# Altium PCB ECSE478 - DAQ Device.PcbDoc (part 3 of 4) (continued)
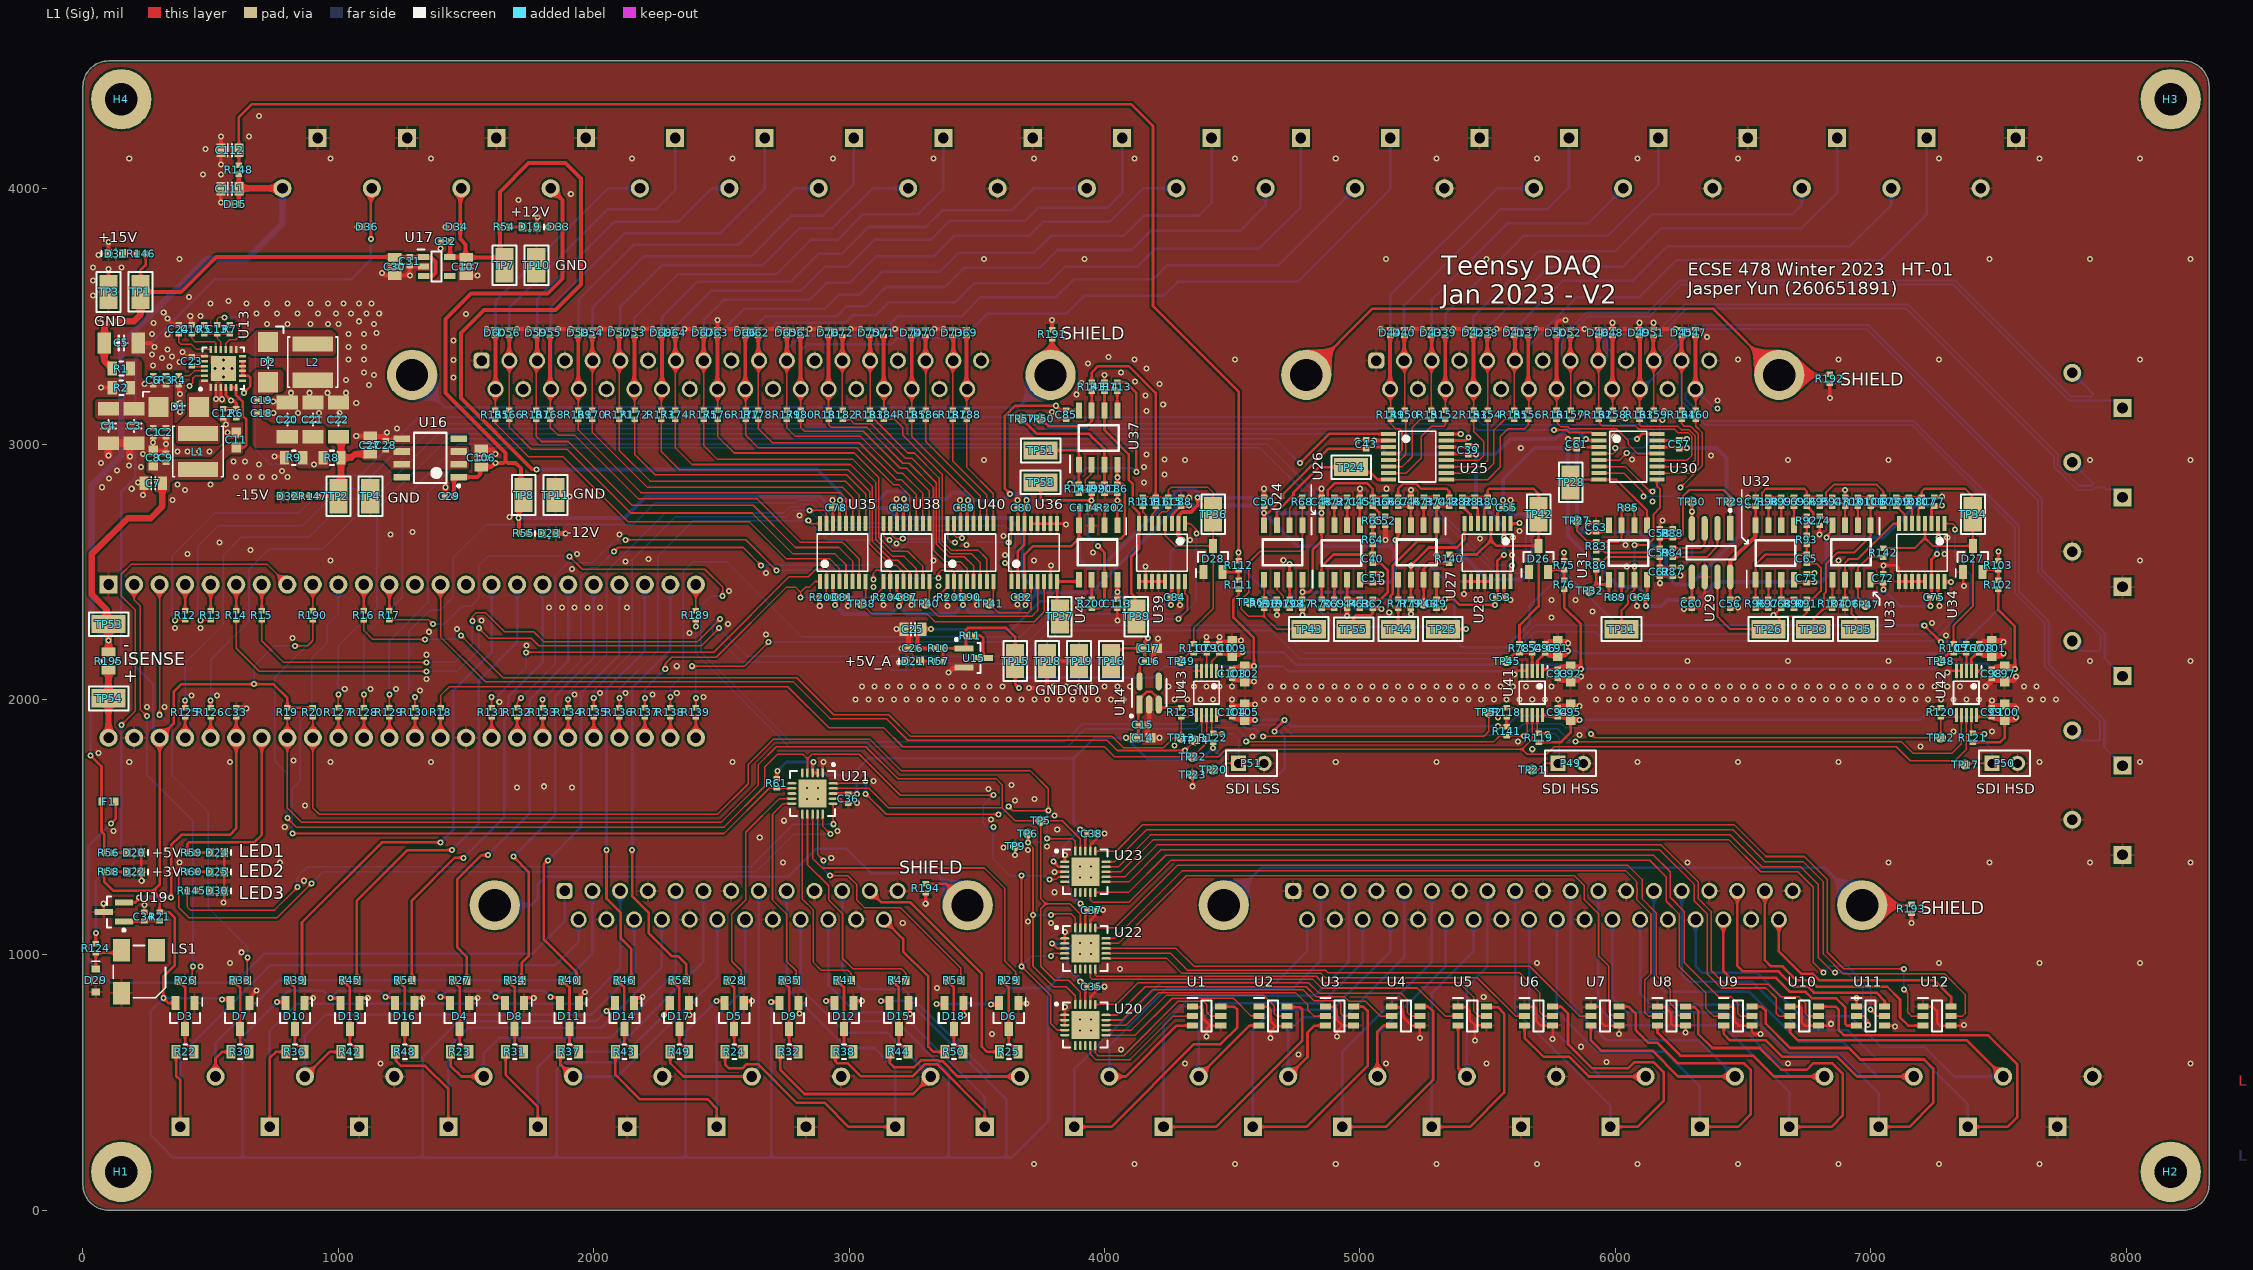
[diagram p0: L1 (Sig) view]
## Nets (pads, with @x,y where several pads share a name; then routed paths per layer and width w, separated by ;. In a path a pad name is that pad's centre, name@x,y a point inside that pad or via, vN(x,y) a via of type N, cw(c..) or ccw(c..) an arc to the next point about the centre after c; other vN are vias at no path point) (continued)
  L1 (Sig) w25: C96.1@5725,2217.5 5725.3,2217.8 5733.61,2217.8 5739.46,2223.65 5769.12,2223.65 C91.1@5775,2229.53 5780.47,2224.05 5810.95,2224.05 v1(5815,2220) ; C93.1@5775,2082.5 5775.3,2082.2 5783.61,2082.2 5789.46,2076.35 5819.12,2076.35 C92.1@5825,2070.47 5825,2071.46 5831.2,2077.66 5852.66,2077.66 v1(5865,2090) ; C108.1@7425,2217.5 7425.3,2217.8 7433.61,2217.8 7439.46,2223.65 7469.12,2223.65 C101.1@7475,2229.53 7475.47,2229.05 7515.95,2229.05 v1(7520,2225) ; v1(7450,2050) 7474.7,2074.7 7474.7,2082.2 C98.1@7475,2082.5 7475.3,2082.2 7483.61,2082.2 7489.46,2076.35 7519.12,2076.35 C97.1@7525,2070.47 7525,2071.46 7531.2,2077.66 7557.66,2077.66 v1(7570,2090) ; v1(7475,1995) C99.1@7475,1967.5 7475.3,1967.8 7483.61,1967.8 7489.46,1973.65 7519.12,1973.65 C100.1@7525,1979.53 7530.47,1974.05 7560.95,1974.05 v1(7570,1965)
  L1 (Sig) w30: v1(100,2955.87) C4.1@100,3003.94 C3.1@194.76,3003.94 ; v1(183.19,2950.87) 183.19,2992.36 C3.1@194.76,3003.94 ; C3.1@200,3003.94 C3.1@194.76,3003.94
  L2 (GND) w15: v3(516,3295.87) v3(550,3295.87) ; v4(550,3261.87) v3(550,3295.87) ; v4(550,3329.87) v3(550,3295.87) ; v3(584,3295.87) v3(550,3295.87)
  L3 (GND) w15: v3(516,3295.87) v3(550,3295.87) ; v4(550,3261.87) v3(550,3295.87) ; v4(550,3329.87) v3(550,3295.87) ; v3(584,3295.87) v3(550,3295.87)
  L4 (Sig) w15: v3(516,3295.87) v3(550,3295.87) ; v4(550,3261.87) v3(550,3295.87) ; v4(550,3329.87) v3(550,3295.87) ; v3(584,3295.87) v3(550,3295.87)
  other v1: 3724.41,181.1 4118.11,181.1 4511.81,181.1 4905.51,181.1 5299.21,181.1 5692.91,181.1 6086.61,181.1 6480.32,181.1 6874.02,181.1 7267.72,181.1 7661.42,181.1 1165.35,574.8 4314.96,574.8 5102.36,574.8 5496.06,574.8 6677.17,574.8 8251.97,574.8 5965,580 4760,610 4065,630 5865,640 3560,690 5485,835 3345,870 4060,945 460,955 574.8,968.5 5692.91,968.5 7267.72,968.5 7661.42,968.5 8055.12,968.5 620,1010 3210,1125 3790,1125 3700,1130 3805,1245 865,1290 377.95,1362.2 771.65,1362.2 2740.16,1362.2 6283.46,1362.2 7070.87,1362.2 7464.57,1362.2 7858.27,1362.2 8251.97,1362.2 2930,1380 3700,1410 3605,1420 3775,1425 2650,1460 120,1485 2955,1485 3815,1490 790,1500 2745,1525 3555,1530 3805,1545 870,1585 3650,1605 3725,1610 3545,1650 1700,1655 1915,1655 1805,1660 3635,1665 3095,1680 181.1,1755.91 574.8,1755.91 968.5,1755.91 1362.2,1755.91 2543.31,1755.91 4905.51,1755.91 5299.21,1755.91 6086.61,1755.91 6480.32,1755.91 6874.02,1755.91 7661.42,1755.91 8055.12,1755.91 825,1760 60,1790 5675,1805 7195,1815 4275,1820 5620,1835 4580,1855 5860,1860 7325,1875 7475,1875 5540,1930 250,1970 320,1970 1630,1990 3025,2000 3075,2000 3125,2000 3175,2000 3225,2000 3275,2000 3325,2000 3375,2000 3425,2000 3475,2000 3525,2000 3575,2000 3625,2000 3675,2000 3725,2000 3775,2000 3825,2000 3875,2000 3925,2000 3975,2000 4025,2000 4075,2000 4275,2000 4325,2000 4375,2000 4425,2000 4625,2000 4675,2000 4725,2000 4775,2000 4825,2000 4875,2000 4925,2000 4975,2000 5025,2000 5075,2000 5125,2000 5175,2000 5225,2000 5275,2000 5325,2000 5375,2000 5425,2000 5475,2000 5525,2000 5575,2000 5625,2000 5675,2000 5725,2000 5775,2000 5925,2000 5975,2000 6025,2000 6075,2000 6125,2000 6175,2000 6225,2000 6275,2000 6325,2000 6375,2000 6425,2000 6475,2000 6525,2000 6575,2000 6625,2000 6675,2000 6725,2000 6775,2000 6825,2000 6875,2000 6925,2000 6975,2000 7025,2000 7075,2000 7125,2000 7175,2000 7225,2000 7275,2000 7325,2000 7375,2000 7425,2000 7625,2000 7675,2000 7725,2000 2430,2010 425,2015 525,2015 1925,2020 2230,2020 2025,2025 2125,2025 2325,2025 1320,2035 1025,2040 1125,2040 1225,2040 3050,2050 3100,2050 3150,2050 3200,2050 3250,2050 3300,2050 3350,2050 3400,2050 3450,2050 3500,2050 3550,2050 3600,2050 3800,2050 3850,2050 3900,2050 3950,2050 4000,2050 4050,2050 4100,2050 4250,2050 4300,2050 4350,2050 4400,2050 4450,2050 4500,2050 4650,2050 4700,2050 4750,2050 4800,2050 4850,2050 4900,2050 4950,2050 5000,2050 5050,2050 5100,2050 5150,2050 5200,2050 5250,2050 5300,2050 5350,2050 5400,2050 5450,2050 5500,2050 5550,2050 5600,2050 5650,2050 5700,2050 5750,2050 5900,2050 5950,2050 6000,2050 6050,2050 6100,2050 6150,2050 6200,2050 6250,2050 6300,2050 6350,2050 6400,2050 6450,2050 6500,2050 6550,2050 6600,2050 6650,2050 6700,2050 6750,2050 6800,2050 6850,2050 6900,2050 6950,2050 7000,2050 7050,2050 7100,2050 7150,2050 7200,2050 7250,2050 7300,2050 7350,2050 7400,2050 7600,2050 7650,2050 1345,2080 2325,2130 6283.46,2149.61 6677.17,2149.61 7070.87,2149.61 7858.27,2149.61 8251.97,2149.61 1345,2175 1737.53,2212.05 820,2240 7295,2250 2675,2255 2375,2260 1355,2265 1465,2275 360,2280 460,2280 2525,2295 7240,2300 1560,2310 5750,2320 5115,2340 5910,2345 1825,2360 1875,2360 1925,2360 1975,2360 2025,2360 2130,2360 5750,2390 5845,2390 2530,2425 3095,2440 3350,2445 2675,2495 1915,2510 6045,2520 2125,2540 968.5,2543.31 3330.71,2543.31 3724.41,2543.31 6874.02,2543.31 8055.12,2543.31 4700,2545 2215,2550 3610,2565 5300,2565 5595,2565 410,2570 1935,2570 7290,2570 3955,2575 655,2585 3460,2605 6040,2605 3185,2610 535,2615 4335,2625 5470,2630 5600,2635 7300,2635 3605,2640 1205,2645 2100,2645 1290,2655 5625,2660 1670,2715 2805,2720 6145,2775.19 350,2780.87 400,2820.87 190.86,2825.01 5105,2825 75,2830.87 370,2840.87 500,2840.87 215.86,2850.01 4155,2850 101.16,2864.71 600,2870.87 650,2870.87 700,2870.87 750,2870.87 800,2870.87 4235,2880 780,2895.19 133.66,2897.21 4155,2910 226.81,2910.87 180,2915.87 690,2920.87 70,2925.87 590,2930.87 635,2930.87 3527.56,2937.01 4314.96,2937.01 6677.17,2937.01 7070.87,2937.01 7858.27,2937.01 8251.97,2937.01 4235,2940 6065,2940 6375,2955 4165,2960 235,2960.87 370,2970.87 410,2970.87 455,2970.87 495,2970.87 5630,2985 5995,3030 1230,3060.87 745,3120.87 841.67,3120.87 923.33,3120.87 1005,3120.87 380,3125.87 4165,3130 6190,3130 6040,3135 4230,3155 380,3160.87 1070,3160.87 745,3165.87 6400,3170 4160,3190 3890,3195 815,3200.87 886.67,3200.87 958.33,3200.87 1030,3200.87 1120,3230.87 4215,3235 3910,3240 4120,3245 1030,3250.87 1450,3260 1140,3270.87 4065,3280 1100,3280.87 4165,3295 339,3304 274,3308 3935,3315 378,3322 1450,3330 1040,3330.87 1100,3330.87 4118.11,3330.71 4511.81,3330.71 6480.32,3330.71 6874.02,3330.71 7267.72,3330.71 8055.12,3330.71 309,3337 4015,3340 349,3343 270,3350.87 330,3370.87 1040,3380.87 1100,3380.87 1450,3405 330.86,3430.01 270,3430.87 1040,3430.87 1100,3430.87 1150,3435 720,3470.87 800,3470.87 890,3470.87 960,3470.87 1000,3470.87 1140,3470.87 276.16,3474.71 1080,3480.87 60,3490.87 460,3500.87 1500,3510 680,3510.87 760,3510.87 840,3510.87 920,3510.87 990,3510.87 1050,3510.87 1110,3510.87 1160,3510.87 316.16,3514.71 500,3550.87 640,3550.87 720,3550.87 800,3550.87 890,3550.87 960,3550.87 1020,3550.87 1080,3550.87 1130,3550.87 570,3560.87 415.01,3575.86 40,3580.87 40,3640.87 40,3690.87 150,3690.87 377.95,3724.41 3527.56,3724.41 3921.26,3724.41 5102.36,3724.41 5496.06,3724.41 5889.76,3724.41 7464.57,3724.41 7858.27,3724.41 8251.97,3724.41 60,3740.87 1705,3955 1910,3980 470,4055 540,4055 181.1,4118.11 968.5,4118.11 1362.2,4118.11 2149.61,4118.11 2543.31,4118.11 2937.01,4118.11 3330.71,4118.11 3724.41,4118.11 4118.11,4118.11 4511.81,4118.11 4905.51,4118.11 5299.21,4118.11 5692.91,4118.11 6086.61,4118.11 6480.32,4118.11 7267.72,4118.11 7661.42,4118.11 8055.12,4118.11 480,4155 650,4205 690,4285
HS_DE_GAIN_MUX_A0: R15.1 U34.1 | length 7807.6
  L1 (Sig) w6: R15.1@700,2312.5 700,2230 785,2145 v1(1345,2145) ; v1(1525,2307.82) 1525.11,2307.93 1525.11,2325.11 1540,2340 1575,2340 1650,2265 1765,2265 1805,2225 2405,2225 v1(2495,2315) ; U34.1@7289.57,2688.19 7321.81,2688.19 7330,2680 v1(7330,2665)
  L4 (Sig) w6: v1(1345,2145) 1455,2145 1525,2215 v1(1525,2307.82) ; v1(2495,2315) 2485,2315 2465,2295 2465,2260 2580,2145 3135,2145 3166,2114 3224,2114 3250,2140 3695,2140 3825,2270 4655,2270 4765,2160 5580,2160 5685,2265 5920,2265 5955,2230 7245,2230 7395,2380 7395,2485 7330,2550 v1(7330,2665)
HS_DE_GAIN_MUX_A1: R14.1 U34.16 | length 7427.4
  L1 (Sig) w6: R14.1@600,2312.5 600,2200 690,2110 v1(1345,2110) ; v1(1550,2280) 1590,2240 1755,2240 1785,2210 2421.88,2210 v1(2490.94,2279.06)
  L1 (Sig) w10: U34.16@7289.57,2461.81 7291.38,2460 v1(7315,2460)
  L4 (Sig) w6: v1(1345,2110) 1465,2110 1550,2195 v1(1550,2280) ; v1(2490.94,2279.06) 2600,2170 3685,2170 3805,2290 4675,2290 4785,2180 5575,2180 5685,2290 5930,2290 5965,2255 7235,2255 7315,2335 v1(7315,2460)
HS_SE_GAIN_MUX_A0: R129.2 U28.1 | length 5709.9
  L1 (Sig) w6: R129.2@1200,1967.5 v1(1200,2020)
  L1 (Sig) w10: U28.1@5589.57,2688.19 5623.19,2688.19 v1(5625,2690)
  L4 (Sig) w6: v1(1200,2020) 1200,2230 1350,2380 1350,2810 1525,2985 4610,2985 4825,2770 5255,2770 5530,2495 5625,2495 5650,2520 5650,2670 5636.22,2683.78 5635.98,2683.78 5629.77,2690 v1(5625,2690)
HS_SE_GAIN_MUX_A1: R128.2 U28.16 | length 5572.9
  L1 (Sig) w6: R128.2@1100,1967.5 v1(1100,2020)
  L1 (Sig) w10: U28.16@5589.57,2461.81 5589.57,2519.57 v1(5595,2525)
  L4 (Sig) w6: v1(1100,2020) 1100,2250 1250,2400 1250,2780 1470,3000 4635,3000 4845,2790 5260,2790 5525,2525 v1(5595,2525)
I2C_SCL: R19.2 TP5.1 U18.41 U20.19 U21.19 U22.19 U23.19 | length 5638.3
  L1 (Sig) w6: R19.2@800,1932.5 U18.41@800,1850 800,1575 855,1520 2500,1520 2645,1665 2645,1745 2715,1815 3065,1815 3190,1690 3575,1690 3600,1665 3600,1575 ; U21.19@2937.36,1651.34 3078.66,1651.34 3155,1575 3600,1575 ; U20.19@3905.31,805.71 3905.31,854.68 3860,900 3805,900 3750,955 3750,1180 3770,1200 ; U22.19@3905.31,1105.71 3905.31,1159.69 3865,1200 3770,1200 ; U23.19@3905.31,1405.71 3905.31,1454.68 3835,1525 TP5.1@3750,1525 ; 3600,1575 3650,1525 TP5.1@3750,1525 ; TP5.1@3750,1525 3750,1220 3770,1200
I2C_SDA: R20.2 TP6.1 U18.40 U20.20 U21.20 U22.20 U23.20 | length 5863.2
  L1 (Sig) w6: R20.2@900,1932.5 U18.40@900,1850 900,1575 925,1550 2485,1550 2605,1670 2605,1745 2705,1845 3080,1845 3205,1720 3710,1720 3780,1650 v1(3780,1565) 3640,1565 v1(3625,1580) ; U21.20@2937.36,1671.02 3056.02,1671.02 v1(3065,1680) ; v1(3065,1630) 3145,1550 v1(3585,1550) ; TP6.1@3700,1475 v1(3700,1440) 3720,1420 v1(3720,1155) 3720,955 3800,875 3850,875 3885.63,839.37 U20.20@3885.63,805.71 ; v1(3775,1455) 3875,1455 3885.63,1444.37 U23.20@3885.63,1405.71 ; v1(3790,1155) 3795,1160 3870,1160 3885.63,1144.37 U22.20@3885.63,1105.71
  L4 (Sig) w6: v1(3065,1630) v1(3065,1680) ; v1(3585,1550) 3589.77,1550 3595.98,1556.22 3601.22,1556.22 v1(3625,1580) ; v1(3700,1440) 3760,1440 v1(3775,1455) 3775,1555.23 3780,1560.23 v1(3780,1565) ; v1(3720,1155) v1(3790,1155)
INT: R61.2 U18.10 U21.7 | length 3080.9
  L1 (Sig) w6: v1(820,1475) 2510,1475 2689.15,1654.15 R61.2@2716.65,1654.15 2719.47,1651.34 U21.7@2775.94,1651.34
  L4 (Sig) w6: v1(820,1475) 820,1650 850,1680 850,1915 895,1960 895,2160 955,2220 955,2290 1000,2335 U18.10@1000,2450
IO_EXPANSION_DIO1: J4.9 P42.1 R24.1 | length 1995.1
  L1 (Sig) w10: R24.1@2514.57,620 2514.57,570.43 2530,555 2582.16,555 2598.89,571.73 2643.27,571.73 2795,420 2905,420 2998.43,326.57 P42.1@3181.1,326.57
  L4 (Sig) w10: J4.9@2755.47,1250 2755.47,869.53 2990,635 3100,635 3181.1,553.9 P42.1@3181.1,326.57
IO_EXPANSION_DIO1_PROT: R28.1 U21.9 | length 853.9
  L1 (Sig) w6: R28.1@2577.56,900 2577.56,937.44 2540,975 2540,1160 2595,1215 2595,1480 2726.97,1611.97 U21.9@2775.94,1611.97
IO_EXPANSION_DIO2: J4.22 P42.2 R32.1 | length 1647.5
  L1 (Sig) w10: R32.1@2729.57,620 2729.57,550.43 2825,455 3250.47,455 P42.2@3318.9,523.43
  L4 (Sig) w10: J4.22@2809.8,1138.19 2809.8,870.2 2985,695 3147.32,695 P42.2@3318.9,523.43
IO_EXPANSION_DIO2_PROT: R35.1 U21.10 | length 781.8
  L1 (Sig) w6: U21.10@2775.94,1592.28 2742.28,1592.28 2700,1550 2700,1215 2755,1160 2755,975 2792.56,937.44 R35.1@2792.56,900
IO_EXPANSION_DIO3: J4.23 P46.1 R38.1 | length 1968.5
  L1 (Sig) w10: R38.1@2944.57,620 2945.72,618.85 2945.72,584.28 2955,575 2995,575 3045,525 3250,525 3296.73,571.73 3343.27,571.73 3531.1,383.9 P46.1@3531.1,326.57
  L4 (Sig) w10: J4.23@2918.46,1138.19 2918.46,881.54 3025,775 3200,775 3531.1,443.9 P46.1@3531.1,326.57
IO_EXPANSION_DIO3_PROT: R41.1 U21.11 | length 791.3
  L1 (Sig) w6: U21.11@2817.28,1550.94 2817.28,1217.72 2860,1175 2860,970 2890,940 2995,940 3007.56,927.44 R41.1@3007.56,900
IO_EXPANSION_DIO4: J4.11 P46.2 R44.1 | length 1774.9
  L1 (Sig) w10: R44.1@3159.57,620 3159.57,575.43 3175,560 3255,560 3281.73,586.73 3349.4,586.73 3352.71,583.43 3365.17,583.43 3425.17,523.43 P46.2@3668.9,523.43
  L4 (Sig) w10: J4.11@2972.8,1250 2972.8,942.2 3050,865 3215,865 3556.57,523.43 P46.2@3668.9,523.43
IO_EXPANSION_DIO4_PROT: R47.1 U21.12 | length 922
  L1 (Sig) w6: U21.12@2836.97,1550.94 2836.97,1353.03 2920,1270 2920,1215 2975,1160 2975,985 3015,945 3205,945 3222.56,927.44 R47.1@3222.56,900
IO_EXPANSION_DIO5: J4.12 R25.1 | length 936
  L1 (Sig) w10: J4.12@3081.46,1250 3126.46,1205 3240,1205 3520,925 3520,640 3540,620 R25.1@3589.57,620
IO_EXPANSION_DIO5_PROT: R29.1 U21.13 | length 1352.6
  L1 (Sig) w6: U21.13@2856.65,1550.94 2856.65,1378.35 2895,1340 3530,1340 3610,1260 3610,975 3652.56,932.44 R29.1@3652.56,900
IO_EXPANSION_DIO6: J4.25 R50.1 | length 643.2
  L1 (Sig) w10: J4.25@3135.79,1138.19 3211.81,1062.17 3211.81,1013.19 3310,915 3310,640 3330,620 R50.1@3374.57,620
IO_EXPANSION_DIO6_PROT: R53.1 U21.14 | length 1006.4
  L1 (Sig) w6: U21.14@2876.34,1550.94 2876.34,1393.66 v1(2900,1370) ; v1(2925,1310) 2995,1310 3030,1275 3030,1215 3060,1185 3200,1185 3437.56,947.44 R53.1@3437.56,900
  L4 (Sig) w6: v1(2900,1370) 2900,1335 v1(2925,1310)
J1_SHIELD: J1.38 J1.39 R191.1 | length 2753.2
  L1 (Sig) w10: J1.39@3788.94,3270.91 3795,3276.97 R191.1@3795,3412.5 R191.1@3798.41,3409.09
  L4 (Sig) w10: J1.38@1288.94,3270.91 1414.84,3145 3663.03,3145 J1.39@3788.94,3270.91
J2_SHIELD: J2.26 J2.27 R192.1 | length 2265.1
  L1 (Sig) w10: J2.26@4790.16,3270.91 5049.25,3530 6383.03,3530 J2.27@6642.13,3270.91 6838.41,3270.91 R192.1@6840,3272.5
J3_SHIELD: J3.38 J3.39 R193.1 | length 2815.7
  L1 (Sig) w10: J3.39@6966.93,1194.09 7156.59,1194.09 R193.1@7160,1197.5
  L4 (Sig) w10: J3.38@4466.93,1194.09 4613.23,1340.39 6820.63,1340.39 J3.39@6966.93,1194.09
J4_SHIELD: J4.26 J4.27 R194.1 | length 2265.9
  L1 (Sig) w10: R194.1@3300,1277.5 3380.73,1277.5 J4.27@3464.13,1194.09
  L4 (Sig) w10: J4.26@1612.17,1194.09 1754.09,1194.09 1780,1220 1780,1275 1810,1305 2760,1305 2870,1415 2990,1415 3085,1320 3338.23,1320 J4.27@3464.13,1194.09
LS_SE_GAIN_MUX_A0: R138.2 U39.1 | length 3112.4
  L1 (Sig) w6: R138.2@2300,1967.5 v1(2300,2010) ; U39.1@4314.57,2688.19 4336.81,2688.19 4358.78,2666.22 4358.78,2651.22 v1(4360,2650)
  L4 (Sig) w6: v1(2300,2010) 2300,2045 2350,2095 2350,2501.49 2353.51,2505 2355,2505 2390,2540 2520,2540 2815,2245 3670,2245 3780,2355 4135,2355 4155,2335 4310,2335 4360,2385 v1(4360,2650)
LS_SE_GAIN_MUX_A1: R139.2 U39.16 | length 2332.5
  L1 (Sig) w6: v1(2385,2130) 2590,2130 v1(2685,2225) ; R139.2@2400,1967.5 v1(2400,2005) ; v1(4290,2315) 4325,2350 4325,2405 4314.57,2415.43 U39.16@4314.57,2461.81
  L4 (Sig) w6: v1(2385,2130) 2400,2115 v1(2400,2005) ; v1(2685,2225) 3700,2225 3810,2335 4115,2335 4135,2315 v1(4290,2315)
NetC23_2: C23.2 U13.21 | length 51
  L1 (Sig) w10: C23.2@425,3307.5 426.99,3305.51 U13.21@475.2,3305.51
NetC24_2: C24.2 U13.18 | length 170.4
  L1 (Sig) w6: C24.2@375,3432.5 375,3400 385,3390 425,3390 444.33,3370.67 U13.18@500.79,3370.67
NetC34_2: C34.2 R21.2 U19.1 | length 141
  L1 (Sig) w10: U19.1@160,1130 237.5,1130 C34.2@240,1132.5 R21.2@300,1132.5
NetC40_1: C40.1 R64.1 R70.2 U26.1 | length 387.2
  L1 (Sig) w10: R70.2@4850,2392.5 U26.1@4850,2468.7 4850,2520 4897.5,2567.5 C40.1@5050,2567.5 R64.1@5050,2607.5
NetC40_2: C40.2 R62.2 R63.1 | length 293.4
  L1 (Sig) w10: R63.1@5000,2357.5 5001.97,2357.5 5007.8,2363.33 5007.8,2365.3 5014.17,2371.67 5026.41,2371.67 5041.41,2386.67 5044.17,2386.67 R62.2@5050,2392.5 5082.5,2392.5 5110,2420 5110,2505 5082.5,2532.5 C40.2@5050,2532.5
NetC41_1: C41.1 R66.1 R72.2 U26.7 | length 428.3
  L1 (Sig) w10: U26.7@4900,2681.3 R72.2@4900,2757.5 4894.17,2763.33 4891.67,2763.33 4883.33,2771.67 4883.06,2771.67 4875,2779.74 4875,2820 4901.81,2846.81 5028.19,2846.81 5050,2825 C41.1@5050,2792.5 R66.1@5100,2792.5
NetC41_2: C41.2 R64.2 R65.1 | length 138.5
  L1 (Sig) w10: R64.2@5050,2642.5 R65.1@5050,2682.5 5055.83,2688.33 5058.33,2688.33 5066.67,2696.67 5066.94,2696.67 5072.8,2702.53 5072.8,2702.8 5075,2705 5075,2732.5 5057.8,2749.7 5057.8,2751.67 5051.97,2757.5 C41.2@5050,2757.5
NetC42_1: C42.1 R74.2 R77.2 TP44.1 U27.1 | length 664.9
  L1 (Sig) w10: TP44.1@5150,2275 R77.2@5150,2357.5 5146.33,2361.17 5128.83,2361.17 5120,2370 5120,2405 5128.19,2413.19 5128.19,2523.19 5225,2620 5285,2620 5300,2635 U27.1@5300,2681.3 R74.2@5300,2757.5 C42.1@5350,2757.5
NetC42_2: C42.2 R66.2 R67.1 | length 340.4
  L1 (Sig) w10: R66.2@5100,2757.5 5105.83,2763.33 5108.33,2763.33 5116.67,2771.67 5116.94,2771.67 5122.8,2777.53 5122.8,2777.8 5131.67,2786.67 5144.17,2786.67 R67.1@5150,2792.5 5150,2825 5170,2845 5220,2845 5240,2825 5340,2825 5350,2815 C42.2@5350,2792.5
NetC44_2: C44.2 R63.2 U26.3 | length 126.2
  L1 (Sig) w10: U26.3@4950,2468.7 C44.2@4950,2392.5 R63.2@5000,2392.5
NetC45_2: C45.2 R65.2 U26.5 | length 135.3
  L1 (Sig) w10: U26.5@5000,2681.3 U26.5@5000,2695.44 ; C45.2@5000,2757.5 U26.5@5000,2695.44 ; R65.2@5050,2717.5 5044.48,2711.98 5030.68,2711.98 5020.95,2702.25 5006.81,2702.25 U26.5@5000,2695.44
NetC46_2: C46.2 R67.2 U27.3 | length 126.2
  L1 (Sig) w10: R67.2@5150,2757.5 C46.2@5200,2757.5 U27.3@5200,2681.3
NetC58_1: C58.1 C59.2 R83.1 R88.2 TP29.1 U29.1 | length 876.2
  L1 (Sig) w8: R83.1@5925,2582.5 5952.5,2582.5 5960,2575 6135,2575 6152.5,2592.5 C59.2@6175,2592.5 C58.1@6175,2632.5 R88.2@6225,2632.5 6252.5,2632.5 6265,2645 6265,2795 6290,2820 6425,2820 6445.37,2799.63 6445.37,2779.63 TP29.1@6450,2775 U29.1@6450,2670.02
NetC59_1: C59.1 C62.2 R86.1 R87.2 TP30.1 U29.4 | length 722.3
  L1 (Sig) w8: R86.1@5925,2542.5 5952.5,2542.5 5967.5,2557.5 C59.1@6175,2557.5 C62.2@6175,2517.5 R87.2@6225,2517.5 v1(6257.5,2517.5) v1@6260,2520 ; U29.4@6300,2670.02 v1(6300,2735) TP30.1@6300,2775
  L4 (Sig) w8: v1(6257.5,2517.5) 6300,2560 v1(6300,2735)
NetC65_1: C65.1 R93.1 R96.2 U32.1 | length 393
  L1 (Sig) w8: R96.2@6550,2392.5 U32.1@6550,2468.7 6550,2530 6587.5,2567.5 C65.1@6750,2567.5 R93.1@6750,2607.5
NetC65_2: C65.2 R90.1 R91.2 | length 287.2
  L1 (Sig) w8: R90.1@6700,2357.5 6704.8,2362.3 6719.8,2362.3 6728.2,2370.7 6728.2,2372.05 6733.48,2377.33 6734.83,2377.33 6741.2,2383.7 6741.2,2385.67 6748.03,2392.5 R91.2@6750,2392.5 6772.5,2392.5 6805,2425 6805,2515 6787.5,2532.5 C65.2@6750,2532.5
NetC66_1: C66.1 R95.1 R98.2 U32.7 | length 398.9
  L1 (Sig) w8: U32.7@6600,2681.3 R98.2@6600,2757.5 6598.03,2757.5 6591.2,2764.33 6591.2,2766.3 6584.83,2772.67 6583.48,2772.67 6575,2781.15 6575,2810 6590,2825 6740,2825 6750,2815 C66.1@6750,2792.5
  L1 (Sig) w10: C66.1@6750,2792.5 R95.1@6800,2792.5
NetC66_2: C66.2 R92.1 R93.2 | length 138.5
  L1 (Sig) w8: R93.2@6750,2642.5 R92.1@6750,2682.5
  L1 (Sig) w10: R92.1@6750,2682.5 6755.83,2688.33 6758.59,2688.33 6775,2704.74 6775,2732.5 6757.8,2749.7 6757.8,2751.67 6751.97,2757.5 C66.2@6750,2757.5
NetC67_1: C67.1 R100.2 R104.2 TP33.1 U33.1 | length 696.3
  L1 (Sig) w8: TP33.1@6775,2275 6777.75,2277.75 6777.75,2317.75 6817.5,2357.5 ; R104.2@6850,2357.5 6817.5,2357.5 ; C67.1@7050,2757.5 R100.2@7000,2757.5 7000,2640 6935,2575 6870,2575 6825,2530 6825,2420 6817.5,2412.5 6817.5,2357.5
NetC67_2: C67.2 R94.1 R95.2 | length 372.2
  L1 (Sig) w8: R95.2@6800,2757.5 6802.61,2760.11 6820.11,2760.11 6825,2765 ; R94.1@6850,2757.5 6847.39,2760.11 6829.89,2760.11 6825,2765 ; C67.2@7050,2792.5 7050,2815 7024.19,2840.81 6855.81,2840.81 6825,2810 6825,2765
NetC68_2: C68.2 R90.2 U32.3 | length 126.2
  L1 (Sig) w8: U32.3@6650,2468.7 C68.2@6650,2392.5 R90.2@6700,2392.5
NetC69_2: C69.2 R92.2 U32.5 | length 135.3
  L1 (Sig) w8: U32.5@6700,2681.3 6700,2695.44 C69.2@6700,2757.5
  L1 (Sig) w10: U32.5@6700,2695.44 6706.81,2702.25 6720.95,2702.25 6730.68,2711.98 6744.48,2711.98 R92.2@6750,2717.5
NetC70_2: C70.2 R94.2 U33.3 | length 142.6
  L1 (Sig) w8: R94.2@6850,2792.5 6854.8,2787.7 6869.8,2787.7 6878.2,2779.3 6878.2,2777.95 6883.48,2772.67 6884.83,2772.67 6891.2,2766.3 6891.2,2764.33 6898.03,2757.5 C70.2@6900,2757.5 U33.3@6900,2681.3
NetD3_3: D3.3 R22.2 R26.2 | length 313
  L1 (Sig) w10: R26.2@372.44,900 372.44,897.05 382.2,887.28 385.16,887.28 400,872.44 D3.3@400,708.82 400,655.43 413.86,641.57 422.72,641.57 435.43,628.86 R22.2@435.43,620
NetD4_3: D4.3 R23.2 R27.2 | length 313
  L1 (Sig) w10: R27.2@1447.44,900 1447.44,897.05 1457.2,887.28 1460.16,887.28 1475,872.44 D4.3@1475,708.82 1475,655.43 1488.86,641.57 1497.72,641.57 1510.43,628.86 R23.2@1510.43,620
NetD5_3: D5.3 R24.2 R28.2 | length 313
  L1 (Sig) w10: R28.2@2522.44,900 2522.44,897.05 2532.2,887.28 2535.16,887.28 2550,872.44 D5.3@2550,708.82 2550,655.43 2563.86,641.57 2572.72,641.57 2585.43,628.86 R24.2@2585.43,620
NetD6_3: D6.3 R25.2 R29.2 | length 313
  L1 (Sig) w10: R29.2@3597.44,900 3597.44,897.05 3607.2,887.28 3610.16,887.28 3625,872.44 D6.3@3625,708.82 3625,655.43 3638.86,641.57 3647.72,641.57 3660.43,628.86 R25.2@3660.43,620
NetD7_3: D7.3 R30.2 R33.2 | length 313
  L1 (Sig) w10: R33.2@587.44,900 587.44,897.05 597.2,887.28 600.16,887.28 615,872.44 D7.3@615,708.82 615,655.43 628.86,641.57 637.72,641.57 650.43,628.86 R30.2@650.43,620
NetD8_3: D8.3 R31.2 R34.2 | length 313
  L1 (Sig) w10: R34.2@1662.44,900 1662.44,897.05 1672.2,887.28 1675.16,887.28 1690,872.44 D8.3@1690,708.82 1690,655.43 1703.86,641.57 1712.72,641.57 1725.43,628.86 R31.2@1725.43,620
NetD9_3: D9.3 R32.2 R35.2 | length 313
  L1 (Sig) w10: R35.2@2737.44,900 2737.44,897.05 2747.2,887.28 2750.16,887.28 2765,872.44 D9.3@2765,708.82 2765,655.43 2778.86,641.57 2787.72,641.57 2800.43,628.86 R32.2@2800.43,620
NetD10_3: D10.3 R36.2 R39.2 | length 313
  L1 (Sig) w10: R39.2@802.44,900 802.44,897.05 812.2,887.28 815.16,887.28 830,872.44 D10.3@830,708.82 830,655.43 843.86,641.57 852.72,641.57 865.43,628.86 R36.2@865.43,620
NetD11_3: D11.3 R37.2 R40.2 | length 313
  L1 (Sig) w10: R40.2@1877.44,900 1877.44,897.05 1887.2,887.28 1890.16,887.28 1905,872.44 D11.3@1905,708.82 1905,655.43 1918.86,641.57 1927.72,641.57 1940.43,628.86 R37.2@1940.43,620
NetD12_3: D12.3 R38.2 R41.2 | length 313
  L1 (Sig) w10: R41.2@2952.44,900 2952.44,897.05 2962.2,887.28 2965.16,887.28 2980,872.44 D12.3@2980,708.82 2980,655.43 2993.86,641.57 3002.72,641.57 3015.43,628.86 R38.2@3015.43,620
NetD13_3: D13.3 R42.2 R45.2 | length 313
  L1 (Sig) w10: R45.2@1017.44,900 1017.44,897.05 1027.2,887.28 1030.16,887.28 1045,872.44 D13.3@1045,708.82 1045,655.43 1058.86,641.57 1067.72,641.57 1080.43,628.86 R42.2@1080.43,620
NetD14_3: D14.3 R43.2 R46.2 | length 313
  L1 (Sig) w10: R46.2@2092.44,900 2092.44,897.05 2102.2,887.28 2105.16,887.28 2120,872.44 D14.3@2120,708.82 2120,655.43 2133.86,641.57 2142.72,641.57 2155.43,628.86 R43.2@2155.43,620
NetD15_3: D15.3 R44.2 R47.2 | length 313
  L1 (Sig) w10: R47.2@3167.44,900 3167.44,897.05 3177.2,887.28 3180.16,887.28 3195,872.44 D15.3@3195,708.82 3195,655.43 3208.86,641.57 3217.72,641.57 3230.43,628.86 R44.2@3230.43,620
NetD16_3: D16.3 R48.2 R51.2 | length 313
  L1 (Sig) w10: R51.2@1232.44,900 1232.44,897.05 1242.2,887.28 1245.16,887.28 1260,872.44 D16.3@1260,708.82 1260,655.43 1273.86,641.57 1282.72,641.57 1295.43,628.86 R48.2@1295.43,620
NetD17_3: D17.3 R49.2 R52.2 | length 313
  L1 (Sig) w10: R52.2@2307.44,900 2307.44,897.05 2317.2,887.28 2320.16,887.28 2335,872.44 D17.3@2335,708.82 2335,655.43 2348.86,641.57 2357.72,641.57 2370.43,628.86 R49.2@2370.43,620
NetD18_3: D18.3 R50.2 R53.2 | length 313
  L1 (Sig) w10: R53.2@3382.44,900 3382.44,897.05 3392.2,887.28 3395.16,887.28 3410,872.44 D18.3@3410,708.82 3410,655.43 3423.86,641.57 3432.72,641.57 3445.43,628.86 R50.2@3445.43,620
NetD19_1: D19.1 R54.1 | length 54.9
  L1 (Sig) w10: R54.1@1667.5,3850 D19.1@1722.44,3850
NetD20_1: D20.1 R56.1 | length 54.9
  L1 (Sig) w10: R56.1@117.5,1400 D20.1@172.44,1400
NetD21_1: D21.1 R57.1 | length 54.9
  L1 (Sig) w10: D21.1@3277.56,2150 R57.1@3332.5,2150
NetD22_1: D22.1 R58.1 | length 54.9
  L1 (Sig) w10: R58.1@117.5,1325 D22.1@172.44,1325
NetD23_2: D23.2 R55.1 | length 54.9
  L1 (Sig) w10: R55.1@1742.5,2650 D23.2@1797.44,2650
NetD24_1: D24.1 R59.1 | length 54.9
  L1 (Sig) w10: R59.1@442.5,1400 D24.1@497.44,1400
NetD25_1: D25.1 R60.1 | length 54.9
  L1 (Sig) w10: R60.1@442.5,1325 D25.1@497.44,1325
NetD26_2: D26.2 R75.2 R76.2 | length 106.2
  L1 (Sig) w10: D26.2@5737.4,2498.82 5746.08,2507.5 R75.2@5800,2507.5 R76.2@5800,2467.5
NetD26_3: D26.3 R78.2 R80.1 R81.1 R82.1 R140.1 TP42.1 U28.4 | length 1403.2
  L1 (Sig) w10: R140.1@5350,2567.5 5457.5,2567.5 5512.8,2622.8 ; R82.1@5400,2792.5 R81.1@5450,2792.5 R80.1@5500,2792.5 5500,2819.14 5505.86,2825 5680,2825 5700,2805 TP42.1@5700,2725 D26.3@5700,2601.18 ; U28.4@5512.8,2688.19 5512.8,2622.8 ; R78.2@5625,2217.5 5625,2290 5700,2365 D26.3@5700,2601.18 ; 5512.8,2622.8 5534.41,2601.18 D26.3@5700,2601.18
NetD27_2: D27.2 R102.2 R103.2 | length 106.2
  L1 (Sig) w10: D27.2@7437.4,2498.82 7446.08,2507.5 R103.2@7500,2507.5 R102.2@7500,2467.5
NetD27_3: D27.3 R105.2 R107.1 R108.1 R109.1 R142.2 TP34.1 U34.4 | length 1382.9
  L1 (Sig) w8: R142.2@7050,2592.5 7173.09,2592.5 7212.8,2632.2 ; R109.1@7100,2792.5 R108.1@7150,2792.5 R107.1@7200,2792.5 7200,2815 7210,2825 7370,2825 7395.76,2799.24 7395.76,2729.24 TP34.1@7400,2725 D27.3@7400,2601.18 ; U34.4@7212.8,2688.19 7212.8,2632.2 ; R105.2@7325,2217.5 7325,2290 7400,2365 D27.3@7400,2601.18 ; 7212.8,2632.2 7243.82,2601.18 D27.3@7400,2601.18
NetD28_2: D28.2 R111.2 R112.2 | length 106.2
  L1 (Sig) w10: D28.2@4462.4,2498.82 4514.35,2498.82 4523.03,2507.5 R112.2@4525,2507.5 R111.2@4525,2467.5
NetD28_3: D28.3 R110.2 R115.1 R116.1 R117.1 R143.2 TP36.1 U39.4 | length 1937.5
  L1 (Sig) w6: R117.1@4150,2792.5 R116.1@4200,2792.5 R115.1@4250,2792.5 4250,2820 4260,2830 4405,2830 4425,2810 TP36.1@4425,2725 D28.3@4425,2601.18 ; U39.4@4237.8,2688.19 4237.8,2642.2 4278.82,2601.18 D28.3@4425,2601.18 ; R110.2@4350,2217.5 4350,2280 4425,2355 D28.3@4425,2601.18
  L1 (Sig) w10: R143.2@3950,3242.5 3950,3280 3975,3305 4095,3305 4200,3200 R116.1@4200,2792.5
NetD29_2: D29.2 LS1.1 R124.2 | length 166.3
  L1 (Sig) w10: D29.2@50,945.28 R124.2@50,1007.5 140.18,1007.5 LS1.1@150,1017.32